# Altium PCB HRADC_Board_v2_0.PcbDoc (part 1 of 4) (continued)
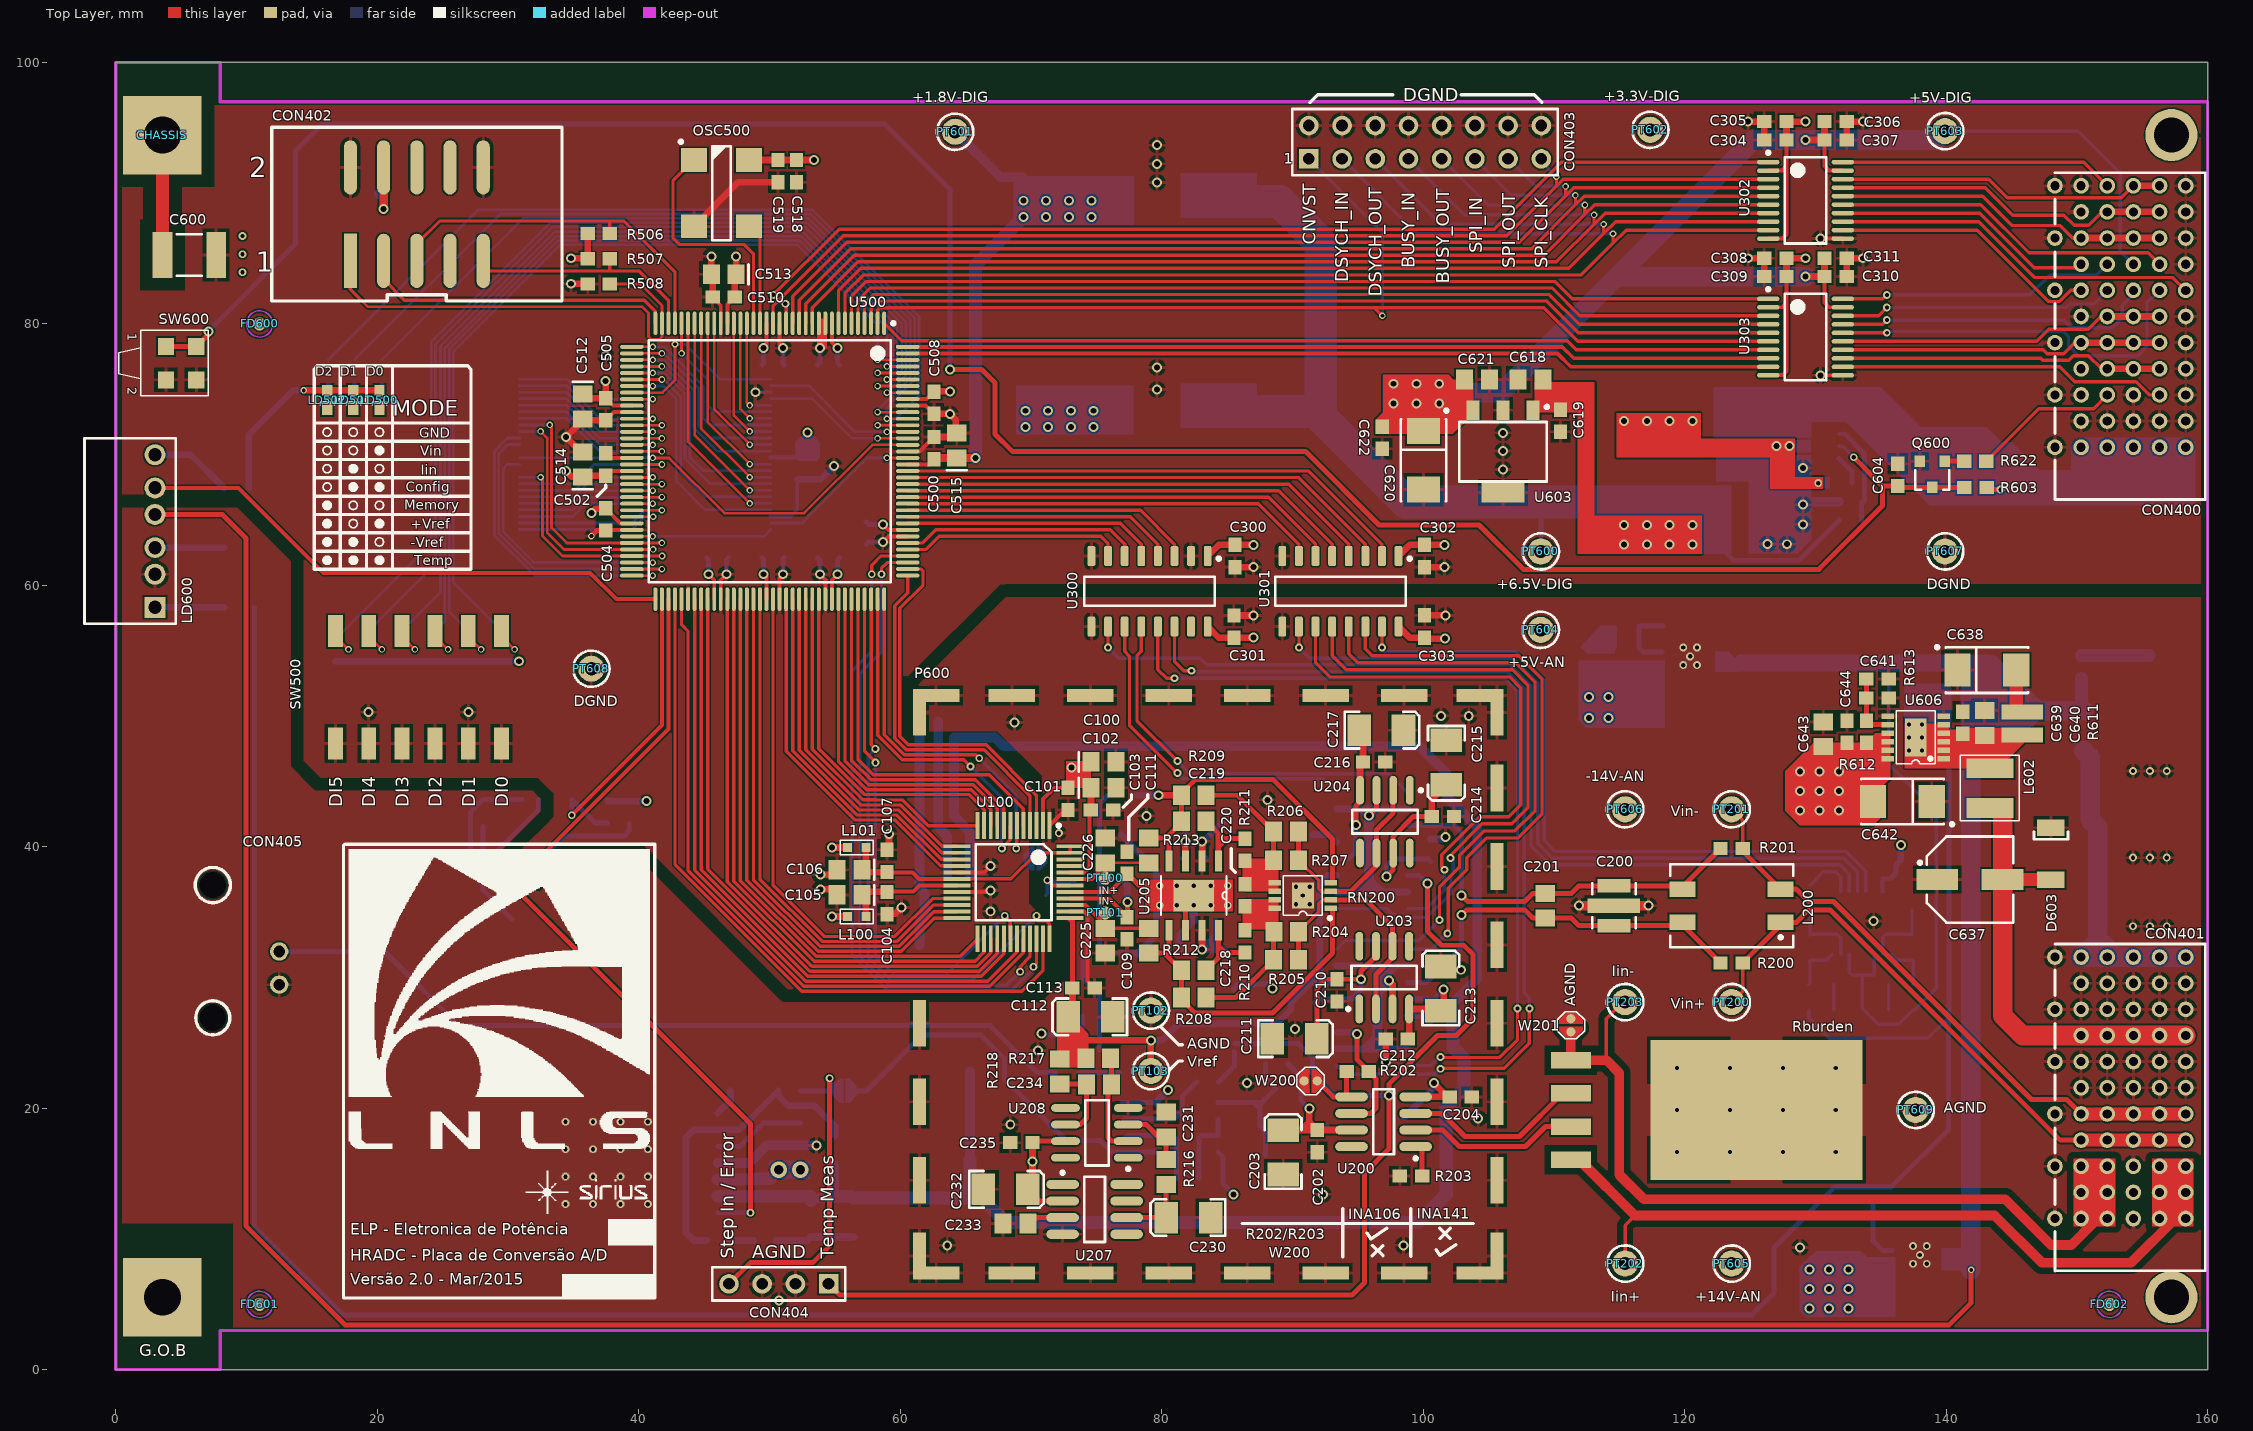
[diagram p0: Top Layer view]
## Components (designator, comment, footprint, x,y, rotation, side; value= is the part's Value field where it differs from the comment) (continued)
C626 "Cap_Ceram_0603" CAP_CERAM_0603#1 126.225,54.975 r270 bottom
C627 "Cap_Ceram_0603" CAP_CERAM_0603#1 115.675,56.9 r180 bottom
C628 "Cap_Tant_C_J_lead" CAP_TANT_C_J_LEAD#1 119.375,50.65 r0 bottom
C629 "Cap_Ceram_0805" CAP_CERAM_0805 112.925,54.5 r270 bottom
C630 "Cap_Ceram_0603" CAP_CERAM_0603#1 114.7,54.3 r270 bottom
C631 "Cap_Ceram_0603" CAP_CERAM_0603#1 140.82,11.285 r0 bottom
C632 "Cap_Ceram_0805" CAP_CERAM_0805 140.845,12.885 r0 bottom
C633 "Cap_Ceram_0603" CAP_CERAM_0603#1 135.275,12.635 r0 bottom
C634 "Cap_Tant_C_J_lead" CAP_TANT_C_J_LEAD#1 137.35,5.3 r0 bottom
C635 "Cap_Ceram_0805" CAP_CERAM_0805 132.585,10.035 r270 bottom
C636 "Cap_Ceram_0603" CAP_CERAM_0603#1 130.86,9.835 r270 bottom
C637 "Cap_Alum_D8" CAP_ALUM_D8 141.83,37.497 r0 top
C638 "Cap_Tant_C_J_lead" CAP_TANT_C_J_LEAD#1 143.122,53.525 r0 top
C639 "Cap_Ceram_0603" CAP_CERAM_0603#1 141.275,49.49 r270 top
C640 "Cap_Ceram_0805" CAP_CERAM_0805 142.95,49.475 r270 top
C641 "Cap_Ceram_0603" CAP_CERAM_0603#1 134.76,52.85 r0 top
C642 "Cap_Tant_C_J_lead" CAP_TANT_C_J_LEAD#1 136.66,43.475 r180 top
C643 "Cap_Ceram_0805" CAP_CERAM_0805 130.6,48.61 r270 top
C644 "Cap_Ceram_0603" CAP_CERAM_0603#1 132.425,48.81 r270 top
C645 "Cap_Ceram_0603" CAP_CERAM_0603#1 135.675,38.975 r0 bottom
CHASSIS "Chassis_Pad" CHASSIS_PAD 3.57,94.45 r0 top
CON400 "374047" ERNI_374047 159.83,66.572 r0 top
CON401 "374047" ERNI_374047 159.83,7.572 r0 top
CON402 "Header 5x2" HEADER_5X2 23.025,88.4 r0 top
CON403 "Header 8x2" HEADER_8X2 100.15,93.9 r0 top
CON404 "Header 4" HEADER_4 54.525,6.575 r180 top
CON405 "BNC_Connector" BNC_RIGHTANGLE 12.5,32 r90 top
D200 "Diode_Zener_SOD323" DIODEZ_SOD-323 55.02,16.77 r270 bottom
D600 "SDM40E20LS-7-F" SOT23_3 70.15,36.325 r90 bottom
D601 "SMAJ16A" DO-214AC 144.545,73.025 r90 bottom
D602 "SMAJ16A" DO-214AC 153.6,36.4 r0 bottom
D603 "SMAJ16A" DO-214AC 148.025,39.482 r270 top
FD600 "Fiducial" FIDUCIAL 11,80 r90 top
FD601 "Fiducial" FIDUCIAL 11,5 r90 top
FD602 "Fiducial" FIDUCIAL 152.5,5 r90 top
FD603 "Fiducial" FIDUCIAL 11,5 r270 bottom
FD604 "Fiducial" FIDUCIAL 11,80 r270 bottom
FD605 "Fiducial" FIDUCIAL 152.5,5 r270 bottom
L100 "Ferrite_Bead_0603" FERRITE_BEAD_0603 56.675,34.675 r180 top
L101 "Ferrite_Bead_0603" FERRITE_BEAD_0603 56.675,39.95 r180 top
L200 "CM_Choke_SMD" CM_CHOKE 123.6,35.5 r180 top
L600 "SRN6045-3R3Y" INDUCTOR_SMD_6x6 117.97,68.775 r270 bottom
L601 "SRN4026-100M" INDUCTOR_SMD_4x4 150.525,48.875 r90 bottom
L602 "SRN4026-100M" INDUCTOR_SMD_4x4 143.35,44.5 r90 top
LD500 "D_0" LED_SMD_0603 20.17,74.175 r90 top
LD501 "D_1" LED_SMD_0603 18.17,74.175 r90 top
LD502 "D_2" LED_SMD_0603 16.17,74.175 r90 top
LD600 "551-0003-828F" LED_TRIPLE 3,70 r270 top
OP300 "ILD217T" SOIC_8_TALL 32.975,40.9 r90 bottom
OSC500 "Oscillator 1OE 2GND 3OUT 4VCC" OSC_DFN_4 46.325,90 r0 top
P600 "EMI_Shield_Top" EMI_SHIELD 60.975,52.075 r0 top locked
P601 "EMI_Shield_Bottom" EMI_SHIELD 60.975,6.9 r0 bottom locked
PT100 "IN+" TESTPOINT_PAD 75.675,37.6 r90 top
PT101 "IN-" TESTPOINT_PAD 75.675,34.95 r90 top
PT102 "AGND" TESTPOINT_PTH 79.175,27.475 r90 top
PT103 "Vref" TESTPOINT_PTH 79.175,22.85 r90 top
PT200 "Vin+" TESTPOINT_PTH 123.6,28.125 r90 top
PT201 "Vin-" TESTPOINT_PTH 123.6,42.875 r90 top
PT202 "Iin+" TESTPOINT_PTH 115.45,8.125 r90 top
PT203 "Iin-" TESTPOINT_PTH 115.45,28.125 r90 top
PT600 "+6.5V-DIG" TESTPOINT_PTH 109,62.6 r270 top
PT601 "+1.8V-DIG" TESTPOINT_PTH 64.2,94.7 r180 top
PT602 "+3.3V-DIG" TESTPOINT_PTH 117.375,94.85 r180 top
PT603 "+5V-DIG" TESTPOINT_PTH 139.925,94.75 r180 top
PT604 "+5V-AN" TESTPOINT_PTH 109,56.6 r90 top
PT605 "+14V-AN" TESTPOINT_PTH 123.6,8.125 r90 top
PT606 "-14V-AN" TESTPOINT_PTH 115.45,42.875 r90 top
PT607 "DGND" TESTPOINT_PTH 139.925,62.6 r180 top
PT608 "DGND" TESTPOINT_PTH 36.375,53.625 r90 top
PT609 "AGND" TESTPOINT_PTH 137.675,19.875 r90 top
Q300 "ZVN3310F" SOT23_3 28.1,40.55 r180 bottom
Q600 "BC846BMTF" SOT23_3 138.955,68.5 r180 top
R200 "Res_0603" R_0603 123.6,31.125 r180 top
R201 "Res_0603" R_0603 123.6,39.875 r180 top
R202 "Res_0603" R_0603 95,22.825 r180 top
R203 "Res_0603" R_0603 99.075,14.825 r0 top
R204 "Res_0805" R_0805 89.525,33.5 r180 top
R205 "Res_0805" R_0805 89.518,31.375 r180 top
R206 "Res_0805" R_0805 89.519,41.175 r180 top
R207 "Res_0805" R_0805 89.519,38.979 r180 top
R208 "Res_0805" R_0805 82.45,28.475 r180 top
R209 "Res_0805" R_0805 82.45,43.95 r180 top
R210 "Res_0603" R_0603 86.375,32.771 r270 top
R211 "Res_0603" R_0603 86.375,39.779 r90 top
R212 "Res_0805" R_0805 79.015,32.821 r90 top
R213 "Res_0805" R_0805 79.015,39.725 r270 top
R214 "Res_0603" R_0603 75.235,23.575 r90 bottom
R215 "Res_0603" R_0603 72.775,22.75 r0 bottom
R216 "Res_0805" R_0805 80.35,15.13 r90 top
R217 "Res_0805" R_0805 75.15,23.825 r180 top
R218 "Res_0805" R_0805 72.2,22.825 r90 top
R219 "Res_0603" R_0603 88.775,23.425 r0 bottom
R220 "Res_0805" R_0805 92.875,17.725 r90 bottom
R221 "Res_0603" R_0603 82,14.65 r180 bottom
R222 "Res_0603" R_0603 76.15,17.525 r180 bottom
R223 "Res_0603" R_0603 83.5,22 r180 bottom
R224 "Res_0603" R_0603 76.125,19.05 r0 bottom
R225 "Res_0603" R_0603 51.52,21.345 r180 bottom
R226 "Res_0603" R_0603 46.05,9.895 r0 bottom
R227 "Res_0603" R_0603 49.635,9.895 r0 bottom
R228 "Res_0603" R_0603 46.17,21.345 r0 bottom
R229 "Res_0603" R_0603 52.37,18.02 r90 bottom
R230 "Res_1206W" R_1206W 64.475,22.825 r180 bottom
R231 "Res_1206W" R_1206W 64.475,16.1 r0 bottom
R232 "Res_1206W" R_1206W 72.56,10.4 r270 bottom
R233 "Res_1206W" R_1206W 83.56,10.4 r90 bottom
R234 "Res_1206W" R_1206W 94.56,10.4 r270 bottom
R235 "Res_1206W" R_1206W 102.645,16.9 r180 bottom
R236 "Res_1206W" R_1206W 103.145,26.4 r0 bottom
R237 "Res_1206W" R_1206W 102.645,45.65 r180 bottom
R238 "Res_1206W" R_1206W 94.56,48.57 r90 bottom
R239 "Res_1206W" R_1206W 83.56,48.57 r270 bottom
R240 "Res_1206W" R_1206W 72.56,48.57 r90 bottom
R241 "Res_1206W" R_1206W 64.475,37.875 r0 bottom
R300 "Res_0603" R_0603 39.275,42.65 r90 bottom
R301 "Res_2512" R_2512 33,34.475 r0 bottom
R302 "Res_0603" R_0603 37.6,42.675 r90 bottom
R500 "Res_0603" R_0603 29.5,55.05 r90 bottom
R501 "Res_0603" R_0603 26.95,55.05 r90 bottom
R502 "Res_0603" R_0603 24.425,55.05 r90 bottom
R503 "Res_0603" R_0603 21.875,55.05 r90 bottom
R504 "Res_0603" R_0603 19.35,55.05 r90 bottom
R505 "Res_0603" R_0603 16.8,55.05 r90 bottom
R506 "Res_0603" R_0603 36.945,86.925 r0 top
R507 "Res_0603" R_0603 36.945,84.987 r180 top
R508 "Res_0603" R_0603 36.945,83.05 r0 top
R509 "Res_0805" R_0805 20.35,76.322 r270 bottom
R510 "Res_0805" R_0805 18.27,76.322 r270 bottom
R511 "Res_0805" R_0805 16.275,76.322 r270 bottom
R600 "Res_0805" R_0805 9.225,67.46 r0 bottom
R601 "Res_0805" R_0805 9.225,62.89 r180 bottom
R602 "Res_0805" R_0805 9.225,58.32 r0 bottom
R603 "Res_0603" R_0603 142.255,67.5 r0 top
R604 "Res_0603" R_0603 132.675,65 r180 bottom
R605 "Res_0603" R_0603 132.675,66.4 r180 bottom
R606 "Res_1206W" R_1206W 150.35,53.75 r270 bottom
R607 "Res_0603" R_0603 116.525,54.375 r270 bottom
R608 "Res_0603" R_0603 119.21,56.9 r180 bottom
R609 "Res_0603" R_0603 134.425,9 r270 bottom
R610 "Res_0603" R_0603 135.275,11.285 r180 bottom
R611 "Res_1206W" R_1206W 145.825,49.45 r270 top
R612 "Res_0603" R_0603 133.91,48.81 r270 top
R613 "Res_0603" R_0603 134.76,51.4 r180 top
R614 "Res_0805" R_0805 136.55,27.525 r180 bottom
R615 "Res_0805" R_0805 136.55,29.5 r0 bottom
R616 "Res_0805" R_0805 137.4,32.275 r270 bottom
R617 "Res_0805" R_0805 137.4,36.125 r90 bottom
R618 "Res_0805" R_0805 130.45,27.525 r180 bottom
R619 "Res_0805" R_0805 130.45,29.5 r180 bottom
R620 "Res_0805" R_0805 129.6,32.275 r270 bottom
R621 "Res_0805" R_0805 129.6,36.125 r90 bottom
R622 "Res_0603" R_0603 142.23,69.5 r180 top
Rburden "Y212320R0000A9L" TO220_4_SMD 111.3,19.875 r270 top
RN200 "LT5400BIMS8E-4#TRPBF" MSOP8-EP3 90.8,36.275 r90 top
SW500 "Switch_DIP_6" SWITCH_DIP_6 23.152,52.2 r0 top
SW600 "7914S-1-000E" PUSHBUTTON_RIGHT 5,77 r270 top
TR200 "R_Pot" R_Pot_SMD 88.775,20.075 r180 bottom
U100 "AD7634BSTZ" LQFP50P900X900X160-48M 68.675,37.3 r270 top
U200 "INA106U" SOIC_8_M 96.975,18.975 r180 top
U201 "MAX313FESE" SOIC_16_N 96.1,27.725 r180 bottom
U202 "MAX313FESE" SOIC_16_N 96.1,39.725 r0 bottom
U203 "OPA211ID" SOIC_8_N 97.025,30 r90 top
U204 "OPA211ID" SOIC_8_N 97.075,41.925 r270 top
U205 "LME49724MR" SOIC_8_PAD 82.45,36.275 r270 top
U206 "OPA227U" SOIC_8_N 74.6,29.45 r270 bottom
U207 "MAX6350CSA" SOIC_8_M 74.87,12.275 r0 top
U208 "OPA227U" SOIC_8_N 75.045,18.125 r180 top
U209 "OPA2227UA" SOIC_8_N 81.925,18.55 r0 bottom
U210 "LM35DM" SOIC_8_N 83.65,26.75 r90 bottom
U211 "OPA547F/500" DDPAK-7 46.05,15.825 r270 bottom
U300 "SI8661BC-B-IS1" SOIC_16_N 79.075,59.55 r270 top
U301 "SI8661BC-B-IS1" SOIC_16_N 93.675,59.55 r270 top
U302 "TXB0108PWR" TSSOP_20_N 129.25,89.45 r0 top
U303 "TXB0108PWR" TSSOP_20_N 129.25,79 r0 top
U500 "5M1270ZT144C4N" TQFP144_N 50.025,69.5 r270 top locked
U501 "S29AL016J70TFI010" TSOP_48 40.495,70.025 r90 bottom locked
U600 "TPS563200DDCT" SOT23_6 130.475,70.65 r0 bottom
U601 "LT1963AEST-1.8#TRPBF" SOT223 79.65,92.275 r90 bottom
U602 "LT1963AEST-3.3#TRPBF" SOT223 79.65,76.21 r90 bottom
U603 "LT1129CST-5#TRPBF" SOT223 106.115,70.25 r270 top
U604 "LT1965EMS8E#PBF" MSOP8-EP3 120.425,54.575 r90 bottom
U605 "LT1965EMS8E#PBF" MSOP8-EP3 138,8.785 r90 bottom
U606 "LT3015EMSE#PBF" MSOP12-EP 137.675,48.375 r90 top
U607 "ADM12914-2ARQZ" QSOP_16_ADI 133.55,34.2 r90 bottom
W200 "Jumper_1P1T" JUMPER_1P1T 91.4,22.1 r0 top
W201 "Jumper_1P1T" JUMPER_1P1T 111.3,26.355 r270 top
W202 "Jumper_2P1T" JUMPER_2P1T 77.5,44.985 r180 bottom
W203 "Jumper_1P1T" JUMPER_1P1T 55.75,21.345 r180 bottom
W600 "Jumper_1P1T" JUMPER_1P1T 70.345,39.125 r180 bottom

## Footprints (in the part's own frame and the unit in brackets; to place one, negate y for a bottom-side part, rotate by r counter-clockwise, add the part's x,y. Pads: shape width x height; smd on the part's side, far side on the other; paste and mask are expansions set on the pad)
BNC_RIGHTANGLE [mm] "BNC Jack Female Socket Right Angle"
  round 0 hole 2.01: 0(-5.08,5.08) 0(5.08,5.08)
  round 1.4 hole 0.89: 1(0,0) 2(-2.54,0)
  silkscreen extent -6.38,3.73 6.42,6.43, body extent -7.38,-1.98 7.38,33.2, height 13.2
CAP_ALUM_D8 [mm] "Aluminium Polymer Capacitor SMD D8; Body 6.6 x 6.6 mm (L x W)"
  rect 3.2x1.6 smd: 1(-2.5,0) 2(2.5,0)
  silkscreen extent -3.95,-3.3 3.3,3.3, body extent -3.5,-3.3 3.5,3.3, height 7.7
CAP_CERAM_0603#1 [mm] "Chip Capacitor; Body 1.6 x 0.8 mm (LxW typ)"
  rect 1.1x1 smd: 1(-0.85,0) 2(0.85,0)
  body extent -0.8,-0.4 0.8,0.4, height 0.78
CAP_CERAM_0603#2 [mm] "Chip Capacitor; Body 1.6 x 0.8 mm (LxW typ)"
  rect 1.1x1 smd: 1(-0.85,0) 2(0.88,0)
  body extent -0.8,-0.4 0.8,0.4, height 0.78
CAP_CERAM_0805 [mm] "Chip Capacitor; Body 2.0 x 1.2 mm (LxW typ)"
  rect 1.3x1.5 smd: 1(-0.95,0) 2(0.95,0)
  body extent -1,-0.62 1,0.63, height 0.58
CAP_CERAM_1206 [mm] "Chip Capacitor; Body 3.2 x 1.6 mm (LxW typ)"
  rect 1.6x1.8 smd: 1(-1.4,0) 2(1.4,0)
  silkscreen extent -0.3,-0.8 0.3,0.8, body extent -1.6,-0.8 1.6,0.8, height 0.76
CAP_CERAM_1210 [mm] "Chip Capacitor; Body 3.2 x 2.5 mm (LxW typ)"
  rect 1.6x2.7 smd: 1(-1.4,0) 2(1.4,0)
  silkscreen extent -0.3,-1.25 0.3,1.25, body extent -1.6,-1.25 1.6,1.25, height 0.77
CAP_CERAM_1210_TALL [mm] "Chip Capacitor; Body 3.2 x 2.5 mm (LxW typ)"
  rect 1.2x2.3 smd: 1(-1.6,0) 2(1.6,0)
  silkscreen extent -0.3,-1.25 0.3,1.25, body extent -1.6,-1.25 1.6,1.25, height 2.5
CAP_CERAM_1812 [mm] "Chip Capacitor; Body 4.5 x 3.2 mm (LxW typ)"
  rect 1.5x3.5 smd: 1(-2.05,0) 2(2.05,0)
  silkscreen extent -0.95,-1.6 0.95,1.6, body extent -2.37,-1.7 2.38,1.7, height 2.5
CAP_TANT_B_J_LEAD [mm] "Capacitor, SM Tantalum; Body 3.5 x 2.8 mm (LxW typ)"
  rect 1.8x2.4 smd: 1(-1.7,0) 2(1.7,0)
  silkscreen extent -2.9,-1.4 2.8,1.4, body extent -1.85,-1.46 1.85,1.47, height 2.03
CAP_TANT_C_J_LEAD#1 [mm] "Capacitor, SM Tantalum; Body 6.0 x 3.2 mm (LxW typ)"
  rect 2x2.5 smd: 1(-2.25,0) 2(2.25,0)
  silkscreen extent -3.92,-1.75 3.15,1.88, body extent -3.05,-1.67 3.05,1.68, height 2.7
CAP_TANT_C_J_LEAD#2 [mm] "Capacitor, SM Tantalum; Body 6.0 x 3.2 mm (LxW typ)"
  rect 2x2.5 smd: 1(-2.34,0) 2(2.25,0)
  silkscreen extent -3.92,-1.75 3.15,1.88, body extent -3.05,-1.67 3.05,1.68, height 2.7
CAP_TANT_R [mm] "Capacitor, SM Tantalum; Body 2.0 x 1.2 mm (LxW typ)"
  rect 1.3x1.5 smd: 1(-0.95,0) 2(0.95,0)
  silkscreen extent -1.9,-0.75 -1.9,0.75, body extent -1,-0.67 1,0.67, height 1.36
CAP_X2Y_1210 [mm] "X2Y Chip Capacitor; Body 3.2 x 1.6 mm (LxW typ)"
  rect 1.02x2.54 smd: 1(-1.525,0) 2(1.525,0)
  rect 1.14x2.03 smd: G1(0,1.015) G2(0,-0.99)
  silkscreen extent -1.71,-1.67 1.71,1.67, body extent -1.71,-1.37 1.71,1.37, height 1.78
CHASSIS_PAD [mm]
  rect 6x6 hole 2.8: 1(0,0)
  body extent -8.64,-108.65 -6.07,19.75, height 15.31
CM_CHOKE [mm] "SMD Inductor, 4-Leads, Body 6,3x9,5mm"
  rect 2x1.2 smd: 1(-3.75,1.27) 2(-3.75,-1.27) 3(3.75,-1.27) 4(3.75,1.27)
  silkscreen extent -4.7,-3.18 4.7,3.18, body extent -4.6,-3 4.6,3, height 5
DDPAK-7 [mm] "D2-PAK, 8-Leads, Body 8.6x10.2mm, Pitch 1.27mm, Lead Span 14.1mm, IPC Medium Density"
  rect 0.95x3.2 smd: 1(-3.81,0) 2(-2.54,0) 3(-1.27,0) 4(0,0) 5(1.27,0) 6(2.54,0) 7(3.81,0)
  rect 10.5x10.5 smd: 8(0,8.5)
  body extent -5.08,-1 5.08,13.3, height 4.72
DIODEZ_SOD-323 [mm] "Chip Zener Diode SOD-323; Body 2.5 x 1.25 mm (LxW typ)"
  rect 0.65x0.85 smd: 1(-1.125,0) 2(1.125,0)
  silkscreen extent 1.7,-0.5 1.7,0.5, body extent -1.25,-0.63 1.25,0.63, height 1.1
DO-214AC [mm] "TVS DIODE DO-214AC; Body 5.59 x 2.92 mm (L x W)"
  rect 1.27x2.1 smd: 1(-1.985,0) 2(1.985,0)
  silkscreen extent -1.68,-1.3 -1.1,1.3, body extent -2.6,-1.3 2.61,1.3, height 2.3
EMI_SHIELD [mm] "LeaderTech SMS-207 EMI Shield; Body 45x45 mm (WxL)"
  rect 1x3.57 smd: 1(0.5,-43.365) 1(0.5,-37.57) 1(0.5,-31.57) 1(0.5,-25.57) 1(0.5,-1.785) 1(44.67,-43.365) 1(44.67,-37.57) 1(44.67,-31.57) 1(44.67,-25.57) 1(44.67,-19.57) 1(44.67,-13.57) 1(44.67,-7.57) 1(44.67,-1.785)
  rect 3.57x1 smd: 1(1.785,-44.67) 1(1.785,-0.5) 1(7.57,-44.67) 1(7.57,-0.5) 1(13.57,-44.67) 1(13.57,-0.5) 1(19.57,-44.67) 1(19.57,-0.5) 1(25.57,-44.67) 1(25.57,-0.5) 1(31.57,-44.67) 1(31.57,-0.5) 1(37.57,-44.67) 1(37.57,-0.5) 1(43.365,-44.67) 1(43.365,-0.5)
  body extent 0.1,-45.04 45.03,-0.11, height 9.93
ERNI_374047 [mm] "55 POS.Right Angle Press Fit Receptacle"
  round 1.2 hole 0.7: A1(-1.5,24) A2(-1.5,22) A3(-1.5,20) A4(-1.5,18) A5(-1.5,16) A6(-1.5,14) A7(-1.5,12) A8(-1.5,10) A9(-1.5,8) A10(-1.5,6) A11(-1.5,4) B1(-3.5,24) B2(-3.5,22) B3(-3.5,20) B4(-3.5,18) B5(-3.5,16) B6(-3.5,14) B7(-3.5,12) B8(-3.5,10) B9(-3.5,8) B10(-3.5,6) B11(-3.5,4) C1(-5.5,24) C2(-5.5,22) C3(-5.5,20) C4(-5.5,18) C5(-5.5,16) C6(-5.5,14) C7(-5.5,12) C8(-5.5,10) C9(-5.5,8) C10(-5.5,6) C11(-5.5,4) D1(-7.5,24) D2(-7.5,22) D3(-7.5,20) D4(-7.5,18) D5(-7.5,16) D6(-7.5,14) D7(-7.5,12) D8(-7.5,10) D9(-7.5,8) D10(-7.5,6) D11(-7.5,4) E1(-9.5,24) E2(-9.5,22) E3(-9.5,20) E4(-9.5,18) E5(-9.5,16) E6(-9.5,14) E7(-9.5,12) E8(-9.5,10) E9(-9.5,8) E10(-9.5,6) E11(-9.5,4) Mec1(-11.5,24) Mec2(-11.5,20) Mec3(-11.5,16) Mec4(-11.5,12) Mec5(-11.5,8) Mec6(-11.5,4)
  silkscreen extent -11.5,0 0,25, body extent -11.61,0 10.9,25, height 8.12
FERRITE_BEAD_0603 [mm]
  rect 0.7x0.7 smd: 1(-0.7,0) 2(0.7,0)
  silkscreen extent -1.25,-0.55 1.25,0.55, body extent -0.8,-0.4 0.8,0.4, height 0.8
FIDUCIAL [mm] "Round Fiducial Target, Top Layer, 1.0mm, Top Solder 2.0mm, Keepout =2.0mm"
  round 1 smd paste-0.51 mask+0.5: FTG2(0,0)
  Top Layer keep-out circle w0.1: c0,0 r1
HEADER_4 [mm] "Connector Header 4-pin Male; Pitch 2.54mm"
  rect 1.5x1.5 hole 0.9: 1(0,0)
  round 1.5 hole 0.9: 2(2.54,0) 3(5.08,0) 4(7.62,0)
  silkscreen extent -1.27,-1.27 8.89,1.27, body extent -1.27,-1.22 8.89,1.23, height 8
HEADER_5X2 [mm] "Connector Header 10-pin Male Shrouded; Pitch 2.54mm"
  rect 1x4.15 smd: 1(-5.08,-3.575)
  oval 1x4.15 smd: 2(-5.08,3.575) 3(-2.54,-3.575) 4(-2.54,3.575) 5(0,-3.575) 6(0,3.575) 7(2.54,-3.575) 8(2.54,3.575) 9(5.08,-3.575) 10(5.08,3.575)
  silkscreen extent -11.1,-6.65 11.1,6.65, body extent -10.16,-4.75 10.16,4.75, height 10.4
HEADER_8X2 [mm] "Connector Header 16-pin Male Shrouded; Pitch 2.54mm"
  rect 1.5x1.5 hole 0.9: 1(-8.89,-1.27)
  round 1.5 hole 0.9: 2(-6.35,-1.27) 3(-3.81,-1.27) 4(-1.27,-1.27) 5(1.27,-1.27) 6(3.81,-1.27) 7(6.35,-1.27) 8(8.89,-1.27) 9(-8.89,1.27) 10(-6.35,1.27) 11(-3.81,1.27) 12(-1.27,1.27) 13(1.27,1.27) 14(3.81,1.27) 15(6.35,1.27) 16(8.89,1.27)
  silkscreen extent -10.16,-2.54 10.16,2.54, body extent -10.16,-2.54 10.16,2.54, height 8.54
INDUCTOR_SMD_4x4 [mm] "Semi-shielded SMD Ferrite Inductor; Body 4.0 x 4.0 mm (L x W)"
  rect 1.5x3.6 smd: 1(-1.525,0) 2(1.525,0)
  silkscreen extent -2.5,-2.25 2.52,2.25, body extent -1.9,-1.91 2,2, height 2.15
INDUCTOR_SMD_6x6 [mm] "Semi-shielded SMD Ferrite Inductor; Body 6.0 x 6.0 mm (L x W)"
  rect 2x6 smd: 1(-2.15,0) 2(2.15,0)
  silkscreen extent -3.5,-3.5 3.5,3.5, body extent -3,-3 3,3, height 4.5
JUMPER_1P1T [mm]
  round 0.7 smd paste-0.5 mask-0.5: 1(-0.5,0) 2(0.5,0)
  Top Layer region: 0.1,0.9 0.375,0.9 0.9,0.375 0.9,-0.375 0.375,-0.9 0.1,-0.9
  Top Layer region: -0.1,-0.9 -0.375,-0.9 -0.9,-0.375 -0.9,0.375 -0.375,0.9 -0.1,0.9
  silkscreen extent -1.05,-1.05 1.05,1.05
JUMPER_2P1T [mm]
  rect 1x1.5 smd: 1(-0.65,0.9) 2(-0.65,-0.9)
  rect 1x3.3 smd: 3(0.65,0)
  silkscreen extent -1.32,-1.83 1.32,1.83
LED_SMD_0603 [mm] "LED SMD 0603; Body 1.6 x 0.8 mm (LxW)"
  rect 0.8x0.8 smd: 1(-0.75,0) 2(0.75,0)
  silkscreen extent -0.38,-0.55 -0.13,0.55, body extent -0.8,-0.4 0.8,0.4, height 0.35
LED_TRIPLE [mm] "LED CBI 3MM YW/GN/GN TRI LEVEL"
  rect 1.6x1.6 hole 1.02: 1(11.68,0)
  round 1.6 hole 1.02: 2(9.14,0) 3(7.11,0) 4(4.57,0) 5(2.54,0) 6(0,0)
  silkscreen extent -1.25,-5.4 12.93,1.59, body extent -0.93,-7.48 12.62,1.27, height 4.3
LQFP50P900X900X160-48M [mm]
  rect 2.05x0.3 smd: 1(-4.325,2.75) 2(-4.325,2.25) 3(-4.325,1.75) 4(-4.325,1.25) 5(-4.325,0.75) 6(-4.325,0.25) 7(-4.325,-0.25) 8(-4.325,-0.75) 9(-4.325,-1.25) 10(-4.325,-1.75) 11(-4.325,-2.25) 12(-4.325,-2.75) 25(4.325,-2.75) 26(4.325,-2.25) 27(4.325,-1.75) 28(4.325,-1.25) 29(4.325,-0.75) 30(4.325,-0.25) 31(4.325,0.25) 32(4.325,0.75) 33(4.325,1.25) 34(4.325,1.75) 35(4.325,2.25) 36(4.325,2.75)
  rect 0.3x2.05 smd: 13(-2.75,-4.325) 14(-2.25,-4.325) 15(-1.75,-4.325) 16(-1.25,-4.325) 17(-0.75,-4.325) 18(-0.25,-4.325) 19(0.25,-4.325) 20(0.75,-4.325) 21(1.25,-4.325) 22(1.75,-4.325) 23(2.25,-4.325) 24(2.75,-4.325) 37(2.75,4.325) 38(2.25,4.325) 39(1.75,4.325) 40(1.25,4.325) 41(0.75,4.325) 42(0.25,4.325) 43(-0.25,4.325) 44(-0.75,4.325) 45(-1.25,4.325) 46(-1.75,4.325) 47(-2.25,4.325) 48(-2.75,4.325)
  silkscreen extent -4.45,-2.9 2.9,3.58, body extent -4.5,-4.44 4.5,4.56, height 1.56
MSOP8-EP3 [mm] "MSOP with Exposed Pad; 8 Leads; Body Width 3 mm; Pitch 0.65 mm"
  rect 0.42x0.953 smd: 1(-0.975,-2.139) 2(-0.325,-2.139) 3(0.325,-2.139) 4(0.975,-2.139) 5(0.975,2.139) 6(0.325,2.139) 7(-0.325,2.139) 8(-0.975,2.139)
  rect 2x1.68 smd: 9(0,0)
  silkscreen extent -1.85,-2.2 1.5,1.5, body extent -1.5,-2.5 1.5,2.5, height 1.09
MSOP12-EP [mm] "MSOP with Exposed Pad; 12 Leads; Body Width 3 mm; Pitch 0.65 mm"
  rect 0.42x0.953 smd: 1(-1.625,-2.139) 2(-0.975,-2.139) 3(-0.325,-2.139) 4(0.325,-2.139) 5(0.975,-2.139) 6(1.625,-2.139) 7(1.625,2.139) 8(0.975,2.139) 9(0.325,2.139) 10(-0.325,2.139) 11(-0.975,2.139) 12(-1.625,2.139)
  rect 2.9x1.651 smd: 13(0,0)
  silkscreen extent -2.02,-1.5 2.02,1.5, body extent -2.02,-2.45 2.02,2.45, height 1.1
OSC_DFN_4 [mm] "4-Pin SMD Oscillator; Body 7.0 x 5.0 mm (LxW typ)"
  rect 2x1.8 smd: 1(-2.1,2.54) 2(-2.1,-2.54) 3(2.1,-2.54) 4(2.1,2.54)
  silkscreen extent -3.22,-3.6 0.7,4.06, body extent -2.6,-3.6 2.6,3.6, height 1.75
PUSHBUTTON_RIGHT [mm] "SMD Push-button Right-Angle; Body 5.0 x 5.18 mm (L x W)"
  rect 1.3x1.25 smd: 1(-1.27,1.165) 1(-1.27,-1.165) 2(1.27,1.165) 2(1.27,-1.165)
  silkscreen extent -2.5,-4.77 2.5,2.07, body extent -2.52,-4.77 2.52,2.06, height 5.44
QSOP_16_ADI [mm] "SOP, 16-Leads, Body 4.9x3.9mm, Pitch 0.64mm, IPC Medium Density"
  oval 2.25x0.35 smd: 1(-2.4,2.24) 2(-2.4,1.6) 3(-2.4,0.96) 4(-2.4,0.32) 5(-2.4,-0.32) 6(-2.4,-0.96) 7(-2.4,-1.6) 8(-2.4,-2.24) 9(2.4,-2.24) 10(2.4,-1.6) 11(2.4,-0.96) 12(2.4,-0.32) 13(2.4,0.32) 14(2.4,0.96) 15(2.4,1.6) 16(2.4,2.24)
  silkscreen extent -0.87,-2.5 0.87,2.5, body extent -3.13,-2.49 3.13,2.49, height 1.75
R_0603 [mm] "Chip Resistor; Body 1.6 x 0.8 mm (LxW typ)"
  rect 1.1x1 smd: 1(-0.85,0) 2(0.85,0)
  body extent -0.8,-0.4 0.8,0.4, height 0.44
R_0805 [mm] "Chip Resistor; Body 2 x 1.3 mm (LxW typ)"
  rect 1.3x1.5 smd: 1(-0.95,0) 2(0.95,0)
  body extent -1,-0.62 1,0.63, height 0.59
R_1206W [mm] "Chip Resistor (Wide); Body 3.2 x 1.6 mm (LxW typ)"
  rect 1.15x3.2 smd: 1(-0.875,0) 2(0.875,0)
  body extent -0.8,-1.6 0.8,1.6, height 0.55
R_2512 [mm] "Resistor, Chip; 6.35mm L X 3.18mm W X 0.889mm H, IPC Medium Density"
  rect 1.9x3.45 smd: 1(-2.7,0) 2(2.7,0)
  silkscreen extent -1.4,-1.6 1.4,1.6, body extent -3.3,-1.71 3.3,1.72, height 0.89
R_Pot_SMD [mm] "SMD Trimmer J-Lead, Body 4.8 x 3.5 mm (LxW typ)"
  rect 1.3x1.6 smd: 1(-1.25,-1.45) 3(1.25,-1.45)
  rect 2x1.6 smd: 2(0,1.45)
  silkscreen extent -2.8,-2.7 2.8,2.25, body extent -2.4,-1.85 2.4,1.85, height 5.6
SOIC_8_M [mm] "SOIC, 8-Leads, Body 4.9x3.9mm, Pitch 1.27mm, IPC Low Density"
  oval 2.5x0.7 smd: 1(-2.45,1.905) 2(-2.45,0.635) 3(-2.45,-0.635) 4(-2.45,-1.905) 5(2.45,-1.905) 6(2.45,-0.635) 7(2.45,0.635) 8(2.45,1.905)
  silkscreen extent -2.58,-2.5 0.8,2.93, body extent -3.13,-2.45 2.87,2.45, height 1.63
SOIC_8_N [mm] "SOIC, 8-Leads, Body 4.9x3.9mm, Pitch 1.27mm, IPC Medium Density"
  oval 2.2x0.6 smd: 1(-2.4,1.905) 2(-2.4,0.635) 3(-2.4,-0.635) 4(-2.4,-1.905) 5(2.4,-1.905) 6(2.4,-0.635) 7(2.4,0.635) 8(2.4,1.905)
  silkscreen extent -2.52,-2.5 0.9,2.88, body extent -3,-2.45 3,2.45, height 1.61
SOIC_8_PAD [mil] "SOIC, 8-Leads, Exposed Pad; Body 4.9x3.9mm, Pitch 1.27mm"
  rect 63x21 smd: 1(-104.5,75) 2(-104.5,25) 3(-104.5,-25) 4(-104.5,-75) 5(104.5,-75) 6(104.5,-25) 7(104.5,25) 8(104.5,75)
  rect 95x122 smd paste-60.5: 9(0,0)
  silkscreen extent -59,-99 59,99, body extent -117,-97 117,96, height 60
SOIC_8_TALL [mm] "SOIC, 8-Leads; Body 6.27 x 3.9 mm (L x W), Pitch 1.27mm"
  rrect10% 1.14x0.91 smd: 1(-2.73,1.905) 2(-2.73,0.635) 3(-2.73,-0.635) 4(-2.73,-1.905) 5(2.73,-1.905) 6(2.73,-0.635) 7(2.73,0.635) 8(2.73,1.905)
  silkscreen extent -2.92,-2.5 0.8,3.03, body extent -3,-2.92 3,2.92, height 3.48
SOIC_16_N [mm] "SOIC, 16-Leads, Body 9.9x3.9mm, Pitch 1.27mm, IPC Medium Density"
  rrect50% 1.55x0.6 smd: 1(-2.7,4.445) 2(-2.7,3.175) 3(-2.7,1.905) 4(-2.7,0.635) 5(-2.7,-0.635) 6(-2.7,-1.905) 7(-2.7,-3.175) 8(-2.7,-4.445) 9(2.7,-4.445) 10(2.7,-3.175) 11(2.7,-1.905) 12(2.7,-0.635) 13(2.7,0.635) 14(2.7,1.905) 15(2.7,3.175) 16(2.7,4.445)
  silkscreen extent -2.63,-5 1.1,5.42, body extent -3,-4.95 3,4.95, height 1.4
SOT23_3 [mm] "SOT-23; 3 Leads; Body 3 x 2.5 mm, inc. leads (LxW max)"
  rect 0.8x0.9 smd: 1(0,1) 2(0.95,-1) 3(-0.95,-1)
  silkscreen extent -1.3,-0.3 1.3,1.18, body extent -1.5,-1.32 1.5,1.32, height 1.08
SOT23_6 [mm] "SOT23, 0.95mm pitch; 6 pin, 1.625mm W X 2.90mm L X 1.00mm H body, IPC Medium Density"
  rect 1.1x0.55 smd: 1(-1.35,0.95) 2(-1.35,0) 3(-1.35,-0.95) 4(1.35,-0.95) 5(1.35,0) 6(1.35,0.95)
  silkscreen extent -1.77,-1.45 0.48,1.87, body extent -1.4,-1.5 1.4,1.5, height 1
SOT223 [mm] "SOT223, 4-Leads, Body 6.505x3.505mm, Pitch 2.3mm, IPC Medium Density"
  rect 1.499x1 smd: 1(-3.15,2.3) 2(-3.15,0) 3(-3.15,-2.3)
  rect 1.499x3.277 smd: 4(3.15,0)
  silkscreen extent -3.52,-3.35 2.3,3.48, body extent -3.65,-3.35 3.65,3.35, height 1.81
SWITCH_DIP_6 [mm] "Surface Mount DIP Switch 6 positions"
  rect 1.13x2.44 smd: 1(-6.35,-4.3) 2(-3.81,-4.3) 3(-1.27,-4.3) 4(1.27,-4.3) 5(3.81,-4.3) 6(6.35,-4.3) 7(6.35,4.3) 8(3.81,4.3) 9(1.27,4.3) 10(-1.27,4.3) 11(-3.81,4.3) 12(-6.35,4.3)
  body extent -8.36,-4.95 8.36,4.96, height 4.28
TESTPOINT_PAD [mm] "Test Point Pad"
  round 1 smd paste-0.5: 1(0,0)
TESTPOINT_PTH [mm] "Test Point Pin PTH; Body 2.36 mm (D typ)"
  round 2 hole 1: 1(0,0)
  silkscreen extent -1.39,-1.39 1.39,1.39, body extent -1.17,-1.18 1.18,1.18, height 3.94
TO220_4_SMD [mm] "TO-220 4-LEAD SMD"
  rect 1.27x3.05 smd: 1(-3.81,0) 2(-1.27,0) 3(1.27,0) 4(3.81,0)
  rect 10.7x16.2 smd: 5(0,14.2)
  body extent -5.08,-1.14 5.08,21.84, height 3.81
TQFP144_N [mm] "Thin QFP, 144-Leads, Body 20x20mm, Pitch 0.5mm, IPC Medium Density"
  oval 1.8x0.3 smd: 1(-10.55,8.75) 2(-10.55,8.25) 3(-10.55,7.75) 4(-10.55,7.25) 5(-10.55,6.75) 6(-10.55,6.25) 7(-10.55,5.75) 8(-10.55,5.25) 9(-10.55,4.75) 10(-10.55,4.25) 11(-10.55,3.75) 12(-10.55,3.25) 13(-10.55,2.75) 14(-10.55,2.25) 15(-10.55,1.75) 16(-10.55,1.25) 17(-10.55,0.75) 18(-10.55,0.25) 19(-10.55,-0.25) 20(-10.55,-0.75) 21(-10.55,-1.25) 22(-10.55,-1.75) 23(-10.55,-2.25) 24(-10.55,-2.75) 25(-10.55,-3.25) 26(-10.55,-3.75) 27(-10.55,-4.25) 28(-10.55,-4.75) 29(-10.55,-5.25) 30(-10.55,-5.75) 31(-10.55,-6.25) 32(-10.55,-6.75) 33(-10.55,-7.25) 34(-10.55,-7.75) 35(-10.55,-8.25) 36(-10.55,-8.75) 73(10.55,-8.75) 74(10.55,-8.25) 75(10.55,-7.75) 76(10.55,-7.25) 77(10.55,-6.75) 78(10.55,-6.25) 79(10.55,-5.75) 80(10.55,-5.25) 81(10.55,-4.75) 82(10.55,-4.25) 83(10.55,-3.75) 84(10.55,-3.25) 85(10.55,-2.75) 86(10.55,-2.25) 87(10.55,-1.75) 88(10.55,-1.25) 89(10.55,-0.75) 90(10.55,-0.25) 91(10.55,0.25) 92(10.55,0.75) 93(10.55,1.25) 94(10.55,1.75) 95(10.55,2.25) 96(10.55,2.75) 97(10.55,3.25) 98(10.55,3.75) 99(10.55,4.25) 100(10.55,4.75) 101(10.55,5.25) 102(10.55,5.75) 103(10.55,6.25) 104(10.55,6.75) 105(10.55,7.25) 106(10.55,7.75) 107(10.55,8.25) 108(10.55,8.75)
  oval 0.3x1.8 smd: 37(-8.75,-10.55) 38(-8.25,-10.55) 39(-7.75,-10.55) 40(-7.25,-10.55) 41(-6.75,-10.55) 42(-6.25,-10.55) 43(-5.75,-10.55) 44(-5.25,-10.55) 45(-4.75,-10.55) 46(-4.25,-10.55) 47(-3.75,-10.55) 48(-3.25,-10.55) 49(-2.75,-10.55) 50(-2.25,-10.55) 51(-1.75,-10.55) 52(-1.25,-10.55) 53(-0.75,-10.55) 54(-0.25,-10.55) 55(0.25,-10.55) 56(0.75,-10.55) 57(1.25,-10.55) 58(1.75,-10.55) 59(2.25,-10.55) 60(2.75,-10.55) 61(3.25,-10.55) 62(3.75,-10.55) 63(4.25,-10.55) 64(4.75,-10.55) 65(5.25,-10.55) 66(5.75,-10.55) 67(6.25,-10.55) 68(6.75,-10.55) 69(7.25,-10.55) 70(7.75,-10.55) 71(8.25,-10.55) 72(8.75,-10.55) 109(8.75,10.55) 110(8.25,10.55) 111(7.75,10.55) 112(7.25,10.55) 113(6.75,10.55) 114(6.25,10.55) 115(5.75,10.55) 116(5.25,10.55) 117(4.75,10.55) 118(4.25,10.55) 119(3.75,10.55) 120(3.25,10.55) 121(2.75,10.55) 122(2.25,10.55) 123(1.75,10.55) 124(1.25,10.55) 125(0.75,10.55) 126(0.25,10.55) 127(-0.25,10.55) 128(-0.75,10.55) 129(-1.25,10.55) 130(-1.75,10.55) 131(-2.25,10.55) 132(-2.75,10.55) 133(-3.25,10.55) 134(-3.75,10.55) 135(-4.25,10.55) 136(-4.75,10.55) 137(-5.25,10.55) 138(-5.75,10.55) 139(-6.25,10.55) 140(-6.75,10.55) 141(-7.25,10.55) 142(-7.75,10.55) 143(-8.25,10.55) 144(-8.75,10.55)
  silkscreen extent -10.67,-9.25 9.25,9.58, body extent -11,-11 11,11, height 1.63
TSOP_48 [mm] "Shrink Small Outline; 48 Leads; Body Width 18.4 mm; Pitch 0.5 mm"
  rect 0.3x1.6 smd: 1(-5.75,-9.6) 2(-5.25,-9.6) 3(-4.75,-9.6) 4(-4.25,-9.6) 5(-3.75,-9.6) 6(-3.25,-9.6) 7(-2.75,-9.6) 8(-2.25,-9.6) 9(-1.75,-9.6) 10(-1.25,-9.6) 11(-0.75,-9.6) 12(-0.25,-9.6) 13(0.25,-9.6) 14(0.75,-9.6) 15(1.25,-9.6) 16(1.75,-9.6) 17(2.25,-9.6) 18(2.75,-9.6) 19(3.25,-9.6) 20(3.75,-9.6) 21(4.25,-9.6) 22(4.75,-9.6) 23(5.25,-9.6) 24(5.75,-9.6) 25(5.75,9.6) 26(5.25,9.6) 27(4.75,9.6) 28(4.25,9.6) 29(3.75,9.6) 30(3.25,9.6) 31(2.75,9.6) 32(2.25,9.6) 33(1.75,9.6) 34(1.25,9.6) 35(0.75,9.6) 36(0.25,9.6) 37(-0.25,9.6) 38(-0.75,9.6) 39(-1.25,9.6) 40(-1.75,9.6) 41(-2.25,9.6) 42(-2.75,9.6) 43(-3.25,9.6) 44(-3.75,9.6) 45(-4.25,9.6) 46(-4.75,9.6) 47(-5.25,9.6) 48(-5.75,9.6)
  silkscreen extent -6.57,-9.72 6.05,8.4, body extent -6.05,-10.1 6.05,10.1, height 1.2
TSSOP_20_N [mm] "TSOP, 20-Leads, Body 6.5x4.4mm, Pitch 0.65mm, IPC Medium Density"
  oval 1.7x0.35 smd: 1(-2.85,2.925) 2(-2.85,2.275) 3(-2.85,1.625) 4(-2.85,0.975) 5(-2.85,0.325) 6(-2.85,-0.325) 7(-2.85,-0.975) 8(-2.85,-1.625) 9(-2.85,-2.275) 10(-2.85,-2.925) 11(2.85,-2.925) 12(2.85,-2.275) 13(2.85,-1.625) 14(2.85,-0.975) 15(2.85,-0.325) 16(2.85,0.325) 17(2.85,0.975) 18(2.85,1.625) 19(2.85,2.275) 20(2.85,2.925)
  silkscreen extent -2.97,-3.3 1.6,3.77, body extent -3.21,-3.25 3.21,3.25, height 0.98